# Altium PCB DIOT_Kasli_Adapter.PcbDoc (part 7 of 10)
Units mm, origin at the board's own origin, x right, y up, seen from the top; angles counter-clockwise.
Board outline 220.04 x 100 mm, 12 copper layers (Top Layer, L2GND, L3, L4, L5GND, L6, L7, L8GND, L9, L10, L11GND, Bottom Layer), stack 1.691 mm thick; 201 components, 445 nets, 1582 pads, 691 vias.
Unrouted connection lines stored in the file: 4.
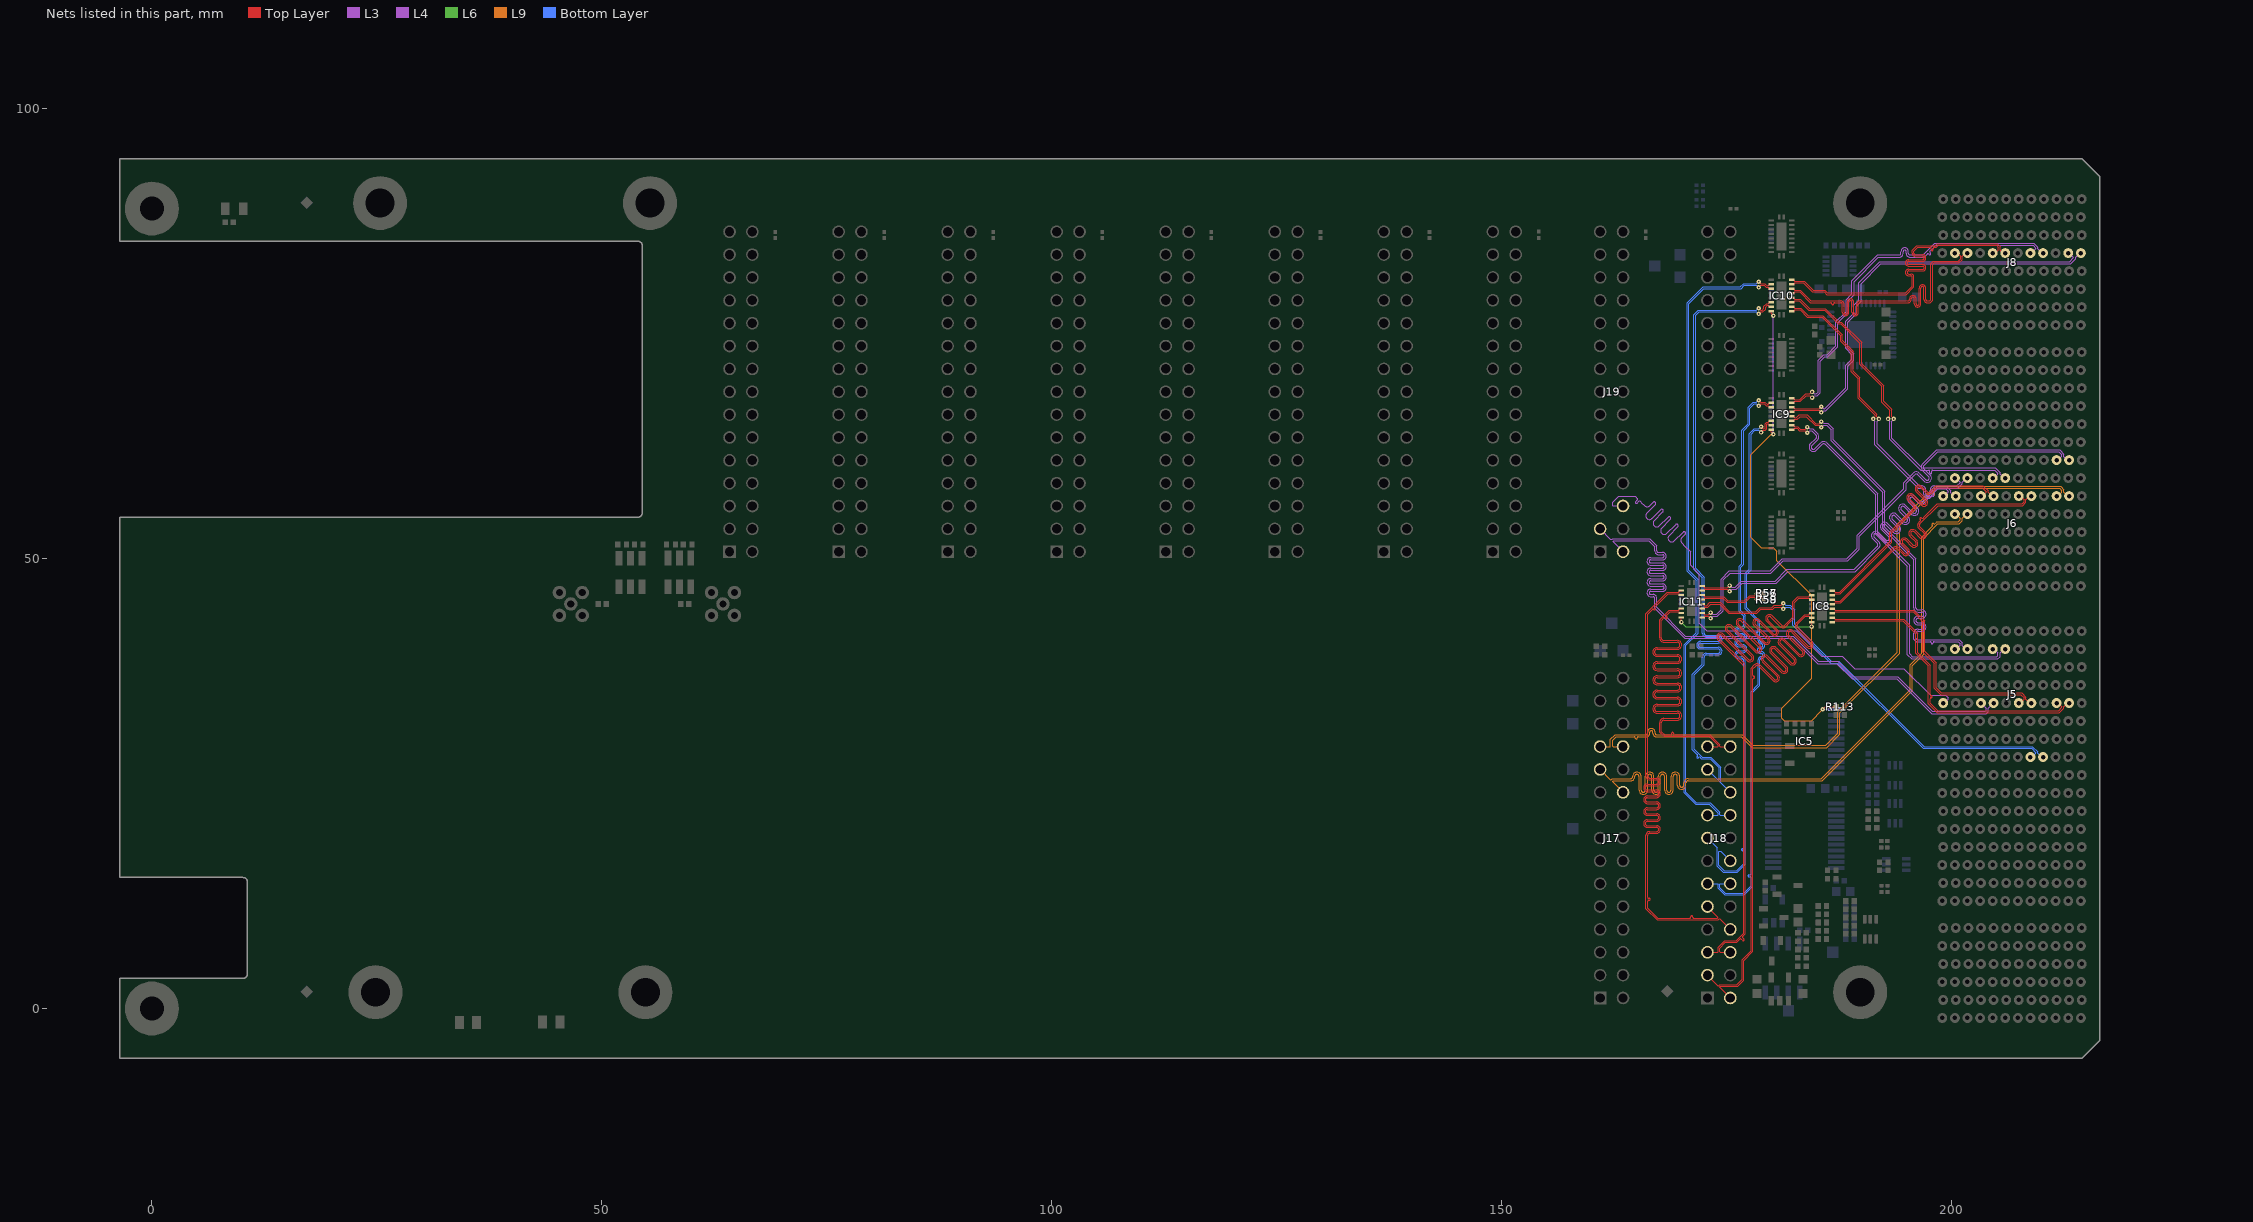
[diagram p17: the nets of this part, all layers, seen from the top]

## Via types
v1: diameter 0.5, hole 0.2, Top Layer to Bottom Layer, tented both sides, 649 vias
v2: diameter 0.5, hole 0.2, Top Layer to Bottom Layer, 32 vias
v3: diameter 0.65, hole 0.3, Top Layer to Bottom Layer, tented both sides, 6 vias
v4: diameter 0.8, hole 0.5, Top Layer to Bottom Layer, tented both sides, 4 vias

## Nets (pads, with @x,y where several pads share a name; then routed paths per layer and width w, separated by ;. In a path a pad name is that pad's centre, name@x,y a point inside that pad or via, vN(x,y) a via of type N, cw(c..) or ccw(c..) an arc to the next point about the centre after c; other vN are vias at no path point) (continued)
EXT8.LVDS_6_N: J6.K5 J17.21 | length 76.8
  L9 w0.089: J17.21@160.947,26.57 162.095,25.422 162.169,25.422 162.291,25.545 164.154,25.545 164.319,25.545 ccw(c164.319,25.78) 164.554,25.78 164.554,25.787 cw(c165.031,25.787) 165.507,25.787 165.507,24.277 ccw(c165.742,24.277) 165.977,24.277 165.977,25.787 cw(c166.453,25.787) 166.929,25.787 166.929,24.277 ccw(c167.164,24.277) 167.399,24.277 167.399,25.787 cw(c167.875,25.787) 168.352,25.787 168.352,24.277 ccw(c168.587,24.277) 168.822,24.277 168.822,25.787 cw(c169.298,25.787) 169.774,25.787 169.774,24.832 ccw(c170.009,24.832) 170.244,24.832 170.244,25.069 cw(c170.72,25.069) 170.72,25.545 171.892,25.545 185.507,25.545 195.396,35.434 195.396,38.211 196.663,39.478 196.663,52.381 197.82,53.538 197.852,53.57 ccw(c197.775,53.646) 197.852,53.722 cw(c197.928,53.799) 197.852,53.875 cw(c197.928,53.799) 198.004,53.875 ccw(c198.081,53.951) 198.157,53.875 198.29,54.008 198.38,54.098 200.744,54.098 200.948,54.302 200.948,54.511 200.509,54.95 J6.K5@200.369,54.95
EXT8.LVDS_6_P: J6.J5 J17.20 | length 76.7
  L9 w0.089: J17.20@163.487,24.03 162.339,25.178 162.339,25.252 162.391,25.304 164.154,25.304 164.319,25.304 ccw(c164.319,25.78) 164.796,25.78 164.796,25.787 cw(c165.031,25.787) 165.266,25.787 165.266,24.277 ccw(c165.742,24.277) 166.218,24.277 166.218,25.787 cw(c166.453,25.787) 166.688,25.787 166.688,24.277 ccw(c167.164,24.277) 167.64,24.277 167.64,25.787 cw(c167.875,25.787) 168.11,25.787 168.11,24.277 ccw(c168.587,24.277) 169.063,24.277 169.063,25.787 cw(c169.298,25.787) 169.533,25.787 169.533,24.832 ccw(c170.009,24.832) 170.485,24.832 170.485,25.069 cw(c170.72,25.069) 170.72,25.304 171.892,25.304 185.607,25.304 195.637,35.334 195.637,38.111 196.904,39.378 196.904,52.281 198.48,53.857 200.844,53.857 201.189,54.202 201.189,54.511 201.629,54.95 J6.J5@201.769,54.95
EXT8.LVDS_7_N: J6.C6 J17.24 | length 76.7
  L9 w0.089: J17.24@163.487,29.11 162.39,29.11 162.338,29.162 162.338,29.817 162.708,30.187 164.49,30.187 164.751,30.187 cw(c164.751,30.079) 164.859,30.079 164.859,30.06 ccw(c164.967,30.06) 165.075,30.06 165.075,30.079 cw(c165.183,30.079) 165.183,30.187 165.379,30.187 165.887,30.187 166.053,30.187 ccw(c166.053,30.6) 166.465,30.6 166.465,30.707 cw(c166.637,30.707) 166.808,30.707 166.808,30.6 ccw(c167.221,30.6) 167.221,30.187 167.818,30.187 176.646,30.187 177.832,29.001 186.126,29.001 187.596,30.471 187.596,32.89 194.214,39.508 194.214,53.701 197.511,56.997 197.695,57.182 cw(c197.771,57.105) 197.847,57.182 197.938,57.091 ccw(c198.014,57.168) 198.09,57.091 ccw(c198.014,57.168) 198.09,57.244 198,57.334 cw(c198.076,57.411) 198,57.487 198.133,57.62 198.31,57.797 212.016,57.797 212.248,57.565 212.248,57.389 211.809,56.95 J6.C6@211.669,56.95
EXT8.LVDS_7_P: J6.B6 J17.23 | length 76.8
  L9 w0.089: J17.23@160.947,29.11 162.044,29.11 162.096,29.162 162.096,29.917 162.608,30.429 165.887,30.429 166.053,30.429 ccw(c166.053,30.6) 166.224,30.6 166.224,30.707 cw(c166.637,30.707) 167.049,30.707 167.049,30.6 ccw(c167.221,30.6) 167.221,30.429 167.818,30.429 176.746,30.429 177.932,29.243 186.026,29.243 187.355,30.571 187.355,32.99 193.973,39.608 193.973,53.801 198.21,58.039 212.116,58.039 212.489,57.665 212.489,57.389 212.929,56.95 J6.B6@213.069,56.95
EXT9.LVDS_0_N: IC8.7 J18.3 | length 76
  Top Layer w0.089: J18.3@172.872,3.71 174.038,2.544 174.111,2.544 174.219,2.652 176.135,2.652 176.717,3.234 176.717,5.4 177.734,6.418 177.734,37.671 177.734,37.832 178.083,38.18 cw(c178.384,37.879) 178.685,38.18 180.291,36.574 ccw(c180.457,36.74) 180.623,36.574 ccw(c180.457,36.74) 180.623,36.906 178.964,38.565 cw(c179.265,38.866) 178.964,39.167 cw(c179.265,38.866) 179.566,39.167 181.225,37.508 ccw(c181.391,37.674) 181.557,37.508 ccw(c181.391,37.674) 181.557,37.84 179.898,39.499 cw(c180.199,39.8) 179.898,40.101 cw(c180.199,39.8) 180.5,40.101 182.159,38.442 ccw(c182.325,38.608) 182.491,38.442 ccw(c182.325,38.608) 182.491,38.774 180.832,40.433 cw(c181.133,40.734) 180.832,41.035 cw(c181.133,40.734) 181.433,41.035 183.093,39.376 ccw(c183.259,39.542) 183.425,39.376 ccw(c183.259,39.542) 183.425,39.708 181.766,41.367 cw(c182.067,41.668) 181.766,41.969 cw(c182.067,41.668) 182.367,41.969 184.027,40.309 ccw(c184.193,40.476) 184.359,40.309 ccw(c184.193,40.476) 184.359,40.642 182.753,42.248 cw(c183.053,42.549) 182.753,42.85 182.851,42.949 183.682,43.78 184.14,43.78 184.192,43.832 184.192,43.854 184.272,43.934 IC8.7@184.447,43.934
EXT9.LVDS_0_P: IC8.8 J18.2 | length 76.1
  Top Layer w0.089: J18.2@175.412,1.17 174.246,2.336 174.246,2.409 174.298,2.462 176.214,2.462 176.907,3.155 176.907,5.321 177.925,6.339 177.925,36.347 177.925,36.608 cw(c178.033,36.608) 178.033,36.716 ccw(c178.033,36.824) 178.033,36.932 cw(c178.033,37.04) 177.925,37.04 177.925,37.211 177.925,37.48 177.925,37.753 178.218,38.046 cw(c178.384,37.879) 178.55,38.046 180.156,36.439 ccw(c180.457,36.74) 180.758,36.439 ccw(c180.457,36.74) 180.758,37.041 179.099,38.7 cw(c179.265,38.866) 179.099,39.032 cw(c179.265,38.866) 179.431,39.032 181.09,37.373 ccw(c181.391,37.674) 181.692,37.373 ccw(c181.391,37.674) 181.692,37.975 180.033,39.634 cw(c180.199,39.8) 180.033,39.966 cw(c180.199,39.8) 180.365,39.966 182.024,38.307 ccw(c182.325,38.608) 182.626,38.307 ccw(c182.325,38.608) 182.626,38.909 180.966,40.568 cw(c181.133,40.734) 180.966,40.9 cw(c181.133,40.734) 181.299,40.9 182.958,39.241 ccw(c183.259,39.542) 183.56,39.241 ccw(c183.259,39.542) 183.56,39.843 181.9,41.502 cw(c182.067,41.668) 181.9,41.834 cw(c182.067,41.668) 182.233,41.834 183.892,40.175 ccw(c184.193,40.476) 184.494,40.175 ccw(c184.193,40.476) 184.494,40.776 182.887,42.383 cw(c183.053,42.549) 182.887,42.715 182.986,42.814 183.761,43.589 184.14,43.589 184.192,43.537 184.192,43.515 184.272,43.434 IC8.8@184.447,43.434
EXT9.LVDS_1_N: IC8.4 J18.6 | length 80.9
  Top Layer w0.089: J18.6@175.412,6.25 174.289,6.25 174.237,6.302 174.237,6.722 174.857,7.342 176.125,7.342 176.301,7.518 176.486,7.702 cw(c176.562,7.626) 176.638,7.702 176.77,7.571 ccw(c176.846,7.647) 176.923,7.571 ccw(c176.846,7.647) 176.923,7.723 176.791,7.855 cw(c176.867,7.931) 176.791,8.008 176.911,8.128 177.083,8.3 177.083,37.642 177.083,37.935 ccw(c176.424,37.935) 176.891,38.4 174.149,41.142 cw(c174.316,41.308) 174.149,41.474 cw(c174.316,41.308) 174.482,41.474 177.296,38.66 ccw(c177.597,38.961) 177.898,38.66 ccw(c177.597,38.961) 177.898,39.261 175.083,42.076 cw(c175.25,42.242) 175.416,42.408 178.177,39.647 ccw(c178.478,39.947) 178.779,39.647 ccw(c178.478,39.947) 178.779,40.248 176.302,42.725 cw(c176.468,42.891) 176.302,43.057 cw(c176.468,42.891) 176.634,43.057 179.111,40.58 ccw(c179.412,40.881) 179.713,40.58 ccw(c179.412,40.881) 179.713,41.182 178.17,42.725 cw(c178.336,42.891) 178.502,43.057 180.045,41.514 ccw(c180.346,41.815) 180.647,41.514 ccw(c180.346,41.815) 180.647,42.116 179.592,43.171 cw(c179.758,43.337) 179.592,43.503 cw(c179.758,43.337) 179.924,43.503 180.979,42.448 ccw(c181.28,42.749) 181.581,42.448 182.035,42.903 182.52,43.388 182.52,45.103 183.006,45.589 184.14,45.589 184.192,45.537 184.192,45.515 184.272,45.434 IC8.4@184.447,45.434
EXT9.LVDS_1_P: IC8.3 J18.5 | length 80.6
  Top Layer w0.089: J18.5@172.872,6.25 173.995,6.25 174.047,6.302 174.047,6.801 174.778,7.533 176.046,7.533 176.893,8.379 176.893,37.833 176.893,37.935 ccw(c176.424,37.935) 176.756,38.266 174.015,41.007 cw(c174.316,41.308) 174.015,41.609 cw(c174.316,41.308) 174.616,41.609 177.431,38.794 ccw(c177.597,38.961) 177.763,38.794 ccw(c177.597,38.961) 177.763,39.127 174.949,41.941 cw(c175.25,42.242) 174.948,42.542 ; 174.949,42.543 cw(c175.25,42.242) 175.55,42.543 178.312,39.781 ccw(c178.478,39.947) 178.644,39.781 ccw(c178.478,39.947) 178.644,40.114 176.167,42.59 cw(c176.468,42.891) 176.167,43.192 cw(c176.468,42.891) 176.769,43.192 179.246,40.715 ccw(c179.412,40.881) 179.578,40.715 ccw(c179.412,40.881) 179.578,41.047 178.035,42.59 cw(c178.336,42.891) 178.035,43.192 ; 178.035,43.192 cw(c178.336,42.891) 178.637,43.192 180.18,41.649 ccw(c180.346,41.815) 180.512,41.649 ccw(c180.346,41.815) 180.512,41.981 179.457,43.036 cw(c179.758,43.337) 179.457,43.638 cw(c179.758,43.337) 180.059,43.638 181.114,42.583 ccw(c181.28,42.749) 181.446,42.583 181.9,43.038 182.329,43.467 182.329,45.182 182.927,45.78 184.14,45.78 184.192,45.832 184.192,45.854 184.272,45.934 IC8.3@184.447,45.934
EXT9.LVDS_2_N: IC11.4 J18.9 | length 62
  Top Layer w0.089: IC11.4@169.977,45.942 169.802,45.942 169.722,46.023 169.722,46.045 169.67,46.097 168.509,46.097 167.187,44.776 167.055,44.643 ccw(c167.131,44.566) 167.055,44.49 167.064,44.481 cw(c166.988,44.404) 167.064,44.328 cw(c166.988,44.404) 166.911,44.328 166.902,44.337 ccw(c166.826,44.261) 166.749,44.337 166.565,44.153 166.218,43.806 166.218,25.984 166.218,25.844 ccw(c166.453,25.844) 166.453,25.61 167.223,25.61 cw(c167.223,25.184) 167.223,24.759 166.199,24.759 ccw(c166.199,24.524) 166.199,24.289 167.223,24.289 cw(c167.223,23.863) 167.223,23.438 166.199,23.438 ccw(c166.199,23.203) 166.199,22.968 167.223,22.968 cw(c167.223,22.542) 167.223,22.117 166.199,22.117 ccw(c166.199,21.882) 166.199,21.647 167.223,21.647 cw(c167.223,21.222) 167.223,20.796 166.199,20.796 ccw(c166.199,20.561) 166.199,20.326 167.223,20.326 cw(c167.223,19.901) 167.223,19.475 166.453,19.475 ccw(c166.453,19.24) 166.218,19.24 166.218,18.714 166.218,12.624 166.218,12.351 ccw(c166.326,12.351) 166.326,12.243 166.41,12.243 cw(c166.41,12.135) 166.41,12.027 166.326,12.027 ccw(c166.326,11.919) 166.218,11.919 166.218,11.659 166.218,11.168 167.347,10.038 170.459,10.038 170.91,10.038 ccw(c170.91,10.146) 171.018,10.146 171.018,10.186 cw(c171.126,10.186) 171.234,10.186 171.234,10.146 ccw(c171.342,10.146) 171.342,10.038 171.602,10.038 173.986,10.038 174.038,10.091 174.038,10.164 J18.9@172.872,11.33
EXT9.LVDS_2_P: IC11.3 J18.8 | length 61.8
  Top Layer w0.089: IC11.3@169.977,46.442 169.802,46.442 169.722,46.362 169.722,46.34 169.67,46.288 168.43,46.288 166.027,43.885 166.027,25.984 166.027,25.844 ccw(c166.453,25.844) 166.453,25.419 167.223,25.419 cw(c167.223,25.184) 167.223,24.949 166.199,24.949 ccw(c166.199,24.524) 166.199,24.098 167.223,24.098 cw(c167.223,23.863) 167.223,23.628 166.199,23.628 ccw(c166.199,23.203) 166.199,22.777 167.223,22.777 cw(c167.223,22.542) 167.223,22.308 166.199,22.308 ccw(c166.199,21.882) 166.199,21.457 167.223,21.457 cw(c167.223,21.222) 167.223,20.987 166.199,20.987 ccw(c166.199,20.561) 166.199,20.136 167.223,20.136 cw(c167.223,19.901) 167.223,19.666 166.453,19.666 ccw(c166.453,19.24) 166.027,19.24 166.027,18.714 166.027,11.089 167.268,9.848 174.065,9.848 174.173,9.956 174.246,9.956 J18.8@175.412,8.79
EXT9.LVDS_3_N: IC9.7 J18.12 | length 62.7
  Top Layer w0.089: v1(178.825,64.648) 178.857,64.648 179.075,64.43 179.203,64.43 179.275,64.503 179.275,64.992 179.439,65.156 179.644,65.156 179.696,65.208 179.696,65.23 179.776,65.311 IC9.7@179.951,65.311
  Bottom Layer w0.089: J18.12@175.412,13.87 174.289,13.87 174.237,13.818 174.237,13.448 174.866,12.819 176.878,12.819 177.717,13.658 177.717,14.173 177.717,14.522 ccw(c177.609,14.522) 177.609,14.63 177.482,14.63 cw(c177.482,14.738) 177.482,14.846 177.609,14.846 ccw(c177.609,14.954) 177.717,14.954 177.717,15.215 177.717,35.23 178.511,36.024 178.511,38.252 178.511,38.748 cw(c178.873,38.748) 178.873,39.11 ; v1(178.825,64.648) 178.793,64.648 178.575,64.43 178.067,64.43 177.531,63.894 177.531,48.836 177.048,48.353 177.048,44.438 178.511,42.975 178.511,42.189 178.511,41.929 cw(c178.403,41.929) 178.403,41.821 178.382,41.821 ccw(c178.382,41.713) 178.382,41.605 178.403,41.605 cw(c178.403,41.497) 178.511,41.497 178.511,41.453 178.511,41.021 178.511,40.881 ccw(c178.873,40.881) 178.873,40.519 ; 178.873,39.11 ccw(c178.873,39.281) 178.873,39.453 178.774,39.453 cw(c178.774,39.814) 178.774,40.176 178.873,40.176 ccw(c178.873,40.348) 178.873,40.519
EXT9.LVDS_3_P: IC9.8 J18.11 | length 62.2
  Top Layer w0.089: v1(178.825,64.021) 178.857,64.021 179.075,64.239 179.282,64.239 179.466,64.424 179.466,64.913 179.518,64.965 179.644,64.965 179.696,64.913 179.696,64.891 179.776,64.811 IC9.8@179.951,64.811
  Bottom Layer w0.089: J18.11@172.872,13.87 173.995,13.87 174.047,13.818 174.047,13.369 174.787,12.629 176.957,12.629 177.907,13.579 177.907,35.151 178.702,35.945 178.702,38.252 178.702,38.748 cw(c178.873,38.748) 178.873,38.919 ; v1(178.825,64.021) 178.793,64.021 178.575,64.239 178.146,64.239 177.721,63.815 177.721,48.757 177.239,48.274 177.239,44.517 178.702,43.054 178.702,41.021 178.702,40.881 ccw(c178.873,40.881) 178.873,40.71 ; 178.873,38.919 ccw(c178.873,39.281) 178.873,39.643 178.774,39.643 cw(c178.774,39.814) 178.774,39.986 178.873,39.986 ccw(c178.873,40.348) 178.873,40.71
EXT9.LVDS_4_N: IC9.4 J18.15 | length 66.5
  Top Layer w0.089: v1(178.571,66.973) 178.603,66.973 178.821,67.191 179.185,67.191 179.411,66.965 179.644,66.965 179.696,66.913 179.696,66.891 179.776,66.811 IC9.4@179.951,66.811
  Bottom Layer w0.089: J18.15@172.872,18.95 173.964,17.858 173.964,15.819 174.646,15.137 176.2,15.137 177.081,16.018 177.081,38.524 177.081,38.663 ccw(c176.656,38.663) 176.656,39.089 176.323,39.089 cw(c176.323,39.324) 176.323,39.559 176.822,39.559 ccw(c176.822,39.984) 176.822,40.41 176.323,40.41 cw(c176.323,40.645) 176.323,40.88 176.822,40.88 ccw(c176.822,41.305) 176.822,41.73 176.323,41.73 cw(c176.323,41.965) 176.323,42.2 176.656,42.2 ccw(c176.656,42.626) 177.081,42.626 177.081,43.333 177.081,43.691 176.578,44.194 176.578,49.051 176.881,49.354 176.881,64.197 177.591,64.907 177.591,66.725 178.058,67.191 178.321,67.191 178.539,66.973 v1(178.571,66.973)
EXT9.LVDS_4_P: IC9.3 J18.14 | length 66.2
  Top Layer w0.089: v1(178.571,67.6) 178.603,67.6 178.821,67.382 179.264,67.382 179.49,67.156 179.644,67.156 179.696,67.208 179.696,67.23 179.776,67.311 IC9.3@179.951,67.311
  Bottom Layer w0.089: J18.14@175.412,16.41 174.334,17.488 174.206,17.488 174.154,17.436 174.154,15.898 174.725,15.328 176.121,15.328 176.891,16.097 176.891,17.247 176.891,17.443 ccw(c176.783,17.443) 176.783,17.551 176.761,17.551 cw(c176.761,17.659) 176.761,17.767 176.783,17.767 ccw(c176.783,17.875) 176.891,17.875 176.891,18.136 176.891,38.524 176.891,38.663 ccw(c176.656,38.663) 176.656,38.898 176.323,38.898 cw(c176.323,39.324) 176.323,39.749 176.822,39.749 ccw(c176.822,39.984) 176.822,40.219 176.323,40.219 cw(c176.323,40.645) 176.323,41.07 176.822,41.07 ccw(c176.822,41.305) 176.822,41.54 176.323,41.54 cw(c176.323,41.965) 176.323,42.391 176.656,42.391 ccw(c176.656,42.626) 176.891,42.626 176.891,43.333 176.891,43.612 176.388,44.115 176.388,49.13 176.69,49.433 176.69,64.276 177.401,64.986 177.401,66.804 177.979,67.382 178.321,67.382 178.539,67.6 v1(178.571,67.6)
EXT9.LVDS_5_N: IC10.4 J18.18 | length 71.8
  Top Layer w0.089: v1(178.571,80.145) 178.603,80.145 178.821,80.363 179.185,80.363 179.411,80.137 179.644,80.137 179.696,80.085 179.696,80.063 179.776,79.983 IC10.4@179.951,79.983
  Bottom Layer w0.089: J18.18@175.412,21.49 174.289,21.49 174.237,21.542 174.237,21.804 173.176,22.865 171.654,22.865 170.474,24.044 170.474,40.345 171.837,41.707 171.837,47.678 170.82,48.695 170.82,78.349 172.472,80.001 176.613,80.001 176.975,80.363 177.911,80.363 178.321,80.363 178.539,80.145 v1(178.571,80.145)
EXT9.LVDS_5_P: IC10.3 J18.17 | length 72.1
  Top Layer w0.089: v1(178.571,80.772) 178.603,80.772 178.821,80.554 179.264,80.554 179.49,80.328 179.644,80.328 179.696,80.38 179.696,80.402 179.776,80.483 IC10.3@179.951,80.483
  Bottom Layer w0.089: J18.17@172.872,21.49 173.995,21.49 174.047,21.542 174.047,21.725 173.097,22.674 171.575,22.674 170.283,23.966 170.283,40.423 171.646,41.786 171.646,47.599 170.63,48.616 170.63,78.428 172.394,80.191 176.534,80.191 176.896,80.554 177.99,80.554 178.321,80.554 178.539,80.772 v1(178.571,80.772)
EXT9.LVDS_6_N: IC10.7 J18.21 | length 74
  Top Layer w0.089: v1(178.571,77.82) 178.603,77.82 178.821,77.602 178.949,77.602 179.15,77.803 179.15,78.038 179.439,78.328 179.644,78.328 179.696,78.38 179.696,78.402 179.776,78.483 IC10.7@179.951,78.483
  Bottom Layer w0.089: J18.21@172.872,26.57 174.038,25.404 174.111,25.404 174.164,25.456 174.164,26.758 173.174,27.747 172.207,27.747 172.088,27.866 172.056,27.898 ccw(c171.98,27.822) 171.903,27.898 171.873,27.868 cw(c171.797,27.944) 171.721,27.868 cw(c171.797,27.944) 171.721,28.02 171.751,28.051 ccw(c171.674,28.127) 171.751,28.203 171.618,28.336 171.196,28.758 171.196,37.161 172.32,38.285 172.32,38.508 172.32,39.061 cw(c172.746,39.061) 172.746,39.487 174.065,39.487 ccw(c174.065,39.722) 174.065,39.957 172.099,39.957 cw(c172.099,40.382) 172.099,40.807 174.065,40.807 ccw(c174.065,41.042) 174.065,41.277 172.746,41.277 cw(c172.746,41.703) 172.32,41.703 172.32,41.843 172.32,47.86 171.354,48.826 171.354,77.099 171.856,77.602 178.321,77.602 178.539,77.82 v1(178.571,77.82)
EXT9.LVDS_6_P: IC10.8 J18.20 | length 73.5
  Top Layer w0.089: v1(178.571,77.193) 178.603,77.193 178.821,77.411 179.028,77.411 179.34,77.724 179.34,77.959 179.518,78.137 179.644,78.137 179.696,78.085 179.696,78.063 179.776,77.983 IC10.8@179.951,77.983
  Bottom Layer w0.089: J18.20@175.412,24.03 174.246,25.196 174.246,25.269 174.354,25.377 174.354,26.836 173.253,27.938 172.286,27.938 171.387,28.837 171.387,37.082 172.511,38.206 172.511,38.508 172.511,39.061 cw(c172.746,39.061) 172.746,39.296 174.065,39.296 ccw(c174.065,39.722) 174.065,40.147 172.099,40.147 cw(c172.099,40.382) 172.099,40.617 174.065,40.617 ccw(c174.065,41.042) 174.065,41.468 172.746,41.468 cw(c172.746,41.703) 172.511,41.703 172.511,41.843 172.511,47.939 171.544,48.905 171.544,77.02 171.935,77.411 178.321,77.411 178.539,77.193 v1(178.571,77.193)
EXT9.LVDS_7_N: IC11.8 J18.24 | length 55
  Top Layer w0.089: IC11.8@169.977,43.942 169.802,43.942 169.722,44.023 169.722,44.045 169.67,44.097 168.715,44.097 168.456,43.838 168.335,43.717 ccw(c168.412,43.641) 168.335,43.565 168.377,43.523 cw(c168.301,43.447) 168.377,43.37 cw(c168.301,43.447) 168.225,43.37 168.183,43.412 ccw(c168.106,43.336) 168.03,43.412 167.846,43.228 167.741,43.123 167.741,41.338 167.741,41.198 ccw(c168.039,41.198) 168.039,40.9 169.52,40.9 cw(c169.52,40.411) 169.52,39.922 167.277,39.922 ccw(c167.277,39.623) 167.277,39.325 169.52,39.325 cw(c169.52,38.836) 169.52,38.347 167.277,38.347 ccw(c167.277,38.048) 167.277,37.75 169.52,37.75 cw(c169.52,37.261) 169.52,36.772 167.277,36.772 ccw(c167.277,36.474) 167.277,36.175 169.52,36.175 cw(c169.52,35.686) 169.52,35.197 167.277,35.197 ccw(c167.277,34.899) 167.277,34.6 169.52,34.6 cw(c169.52,34.111) 169.52,33.622 167.277,33.622 ccw(c167.277,33.324) 167.277,33.026 169.52,33.026 cw(c169.52,32.537) 169.52,32.048 168.039,32.048 ccw(c168.039,31.749) 167.741,31.749 167.741,30.916 167.741,30.785 168.104,30.422 168.554,30.422 168.78,30.422 ccw(c168.78,30.53) 168.888,30.53 168.888,30.573 cw(c168.996,30.573) 169.104,30.573 169.104,30.53 ccw(c169.212,30.53) 169.212,30.422 169.473,30.422 173.13,30.422 174.237,29.315 174.237,29.162 174.289,29.11 J18.24@175.412,29.11
EXT9.LVDS_7_P: IC11.7 J18.23 | length 54.6
  Top Layer w0.089: IC11.7@169.977,44.442 169.802,44.442 169.722,44.362 169.722,44.34 169.67,44.288 168.636,44.288 167.55,43.202 167.55,41.338 167.55,41.198 ccw(c168.039,41.198) 168.039,40.709 169.52,40.709 cw(c169.52,40.411) 169.52,40.112 167.277,40.112 ccw(c167.277,39.623) 167.277,39.134 169.52,39.134 cw(c169.52,38.836) 169.52,38.537 167.277,38.537 ccw(c167.277,38.048) 167.277,37.559 169.52,37.559 cw(c169.52,37.261) 169.52,36.963 167.277,36.963 ccw(c167.277,36.474) 167.277,35.985 169.52,35.985 cw(c169.52,35.686) 169.52,35.388 167.277,35.388 ccw(c167.277,34.899) 167.277,34.41 169.52,34.41 cw(c169.52,34.111) 169.52,33.813 167.277,33.813 ccw(c167.277,33.324) 167.277,32.835 169.52,32.835 cw(c169.52,32.537) 169.52,32.238 168.039,32.238 ccw(c168.039,31.749) 167.55,31.749 167.55,30.916 167.55,30.706 168.025,30.232 173.051,30.232 174.047,29.236 174.047,29.162 173.995,29.11 J18.23@172.872,29.11
EXT9_MUX_sel_5: IC5.13 IC8.9 IC9.9 IC10.9 IC11.9 R113.2 | length 75.7
  Top Layer w0.102: v1(169.977,42.947) IC11.9@169.977,43.442 ; IC9.9@179.951,64.311 179.951,64.069 v1(180.205,63.815) ; IC10.9@179.951,77.483 179.951,77.241 v1(180.205,76.987) ; v1(184.447,42.439) IC8.9@184.447,42.934